# KiCad board rabbit_mask_video_edit.kicad_pcb (continued)
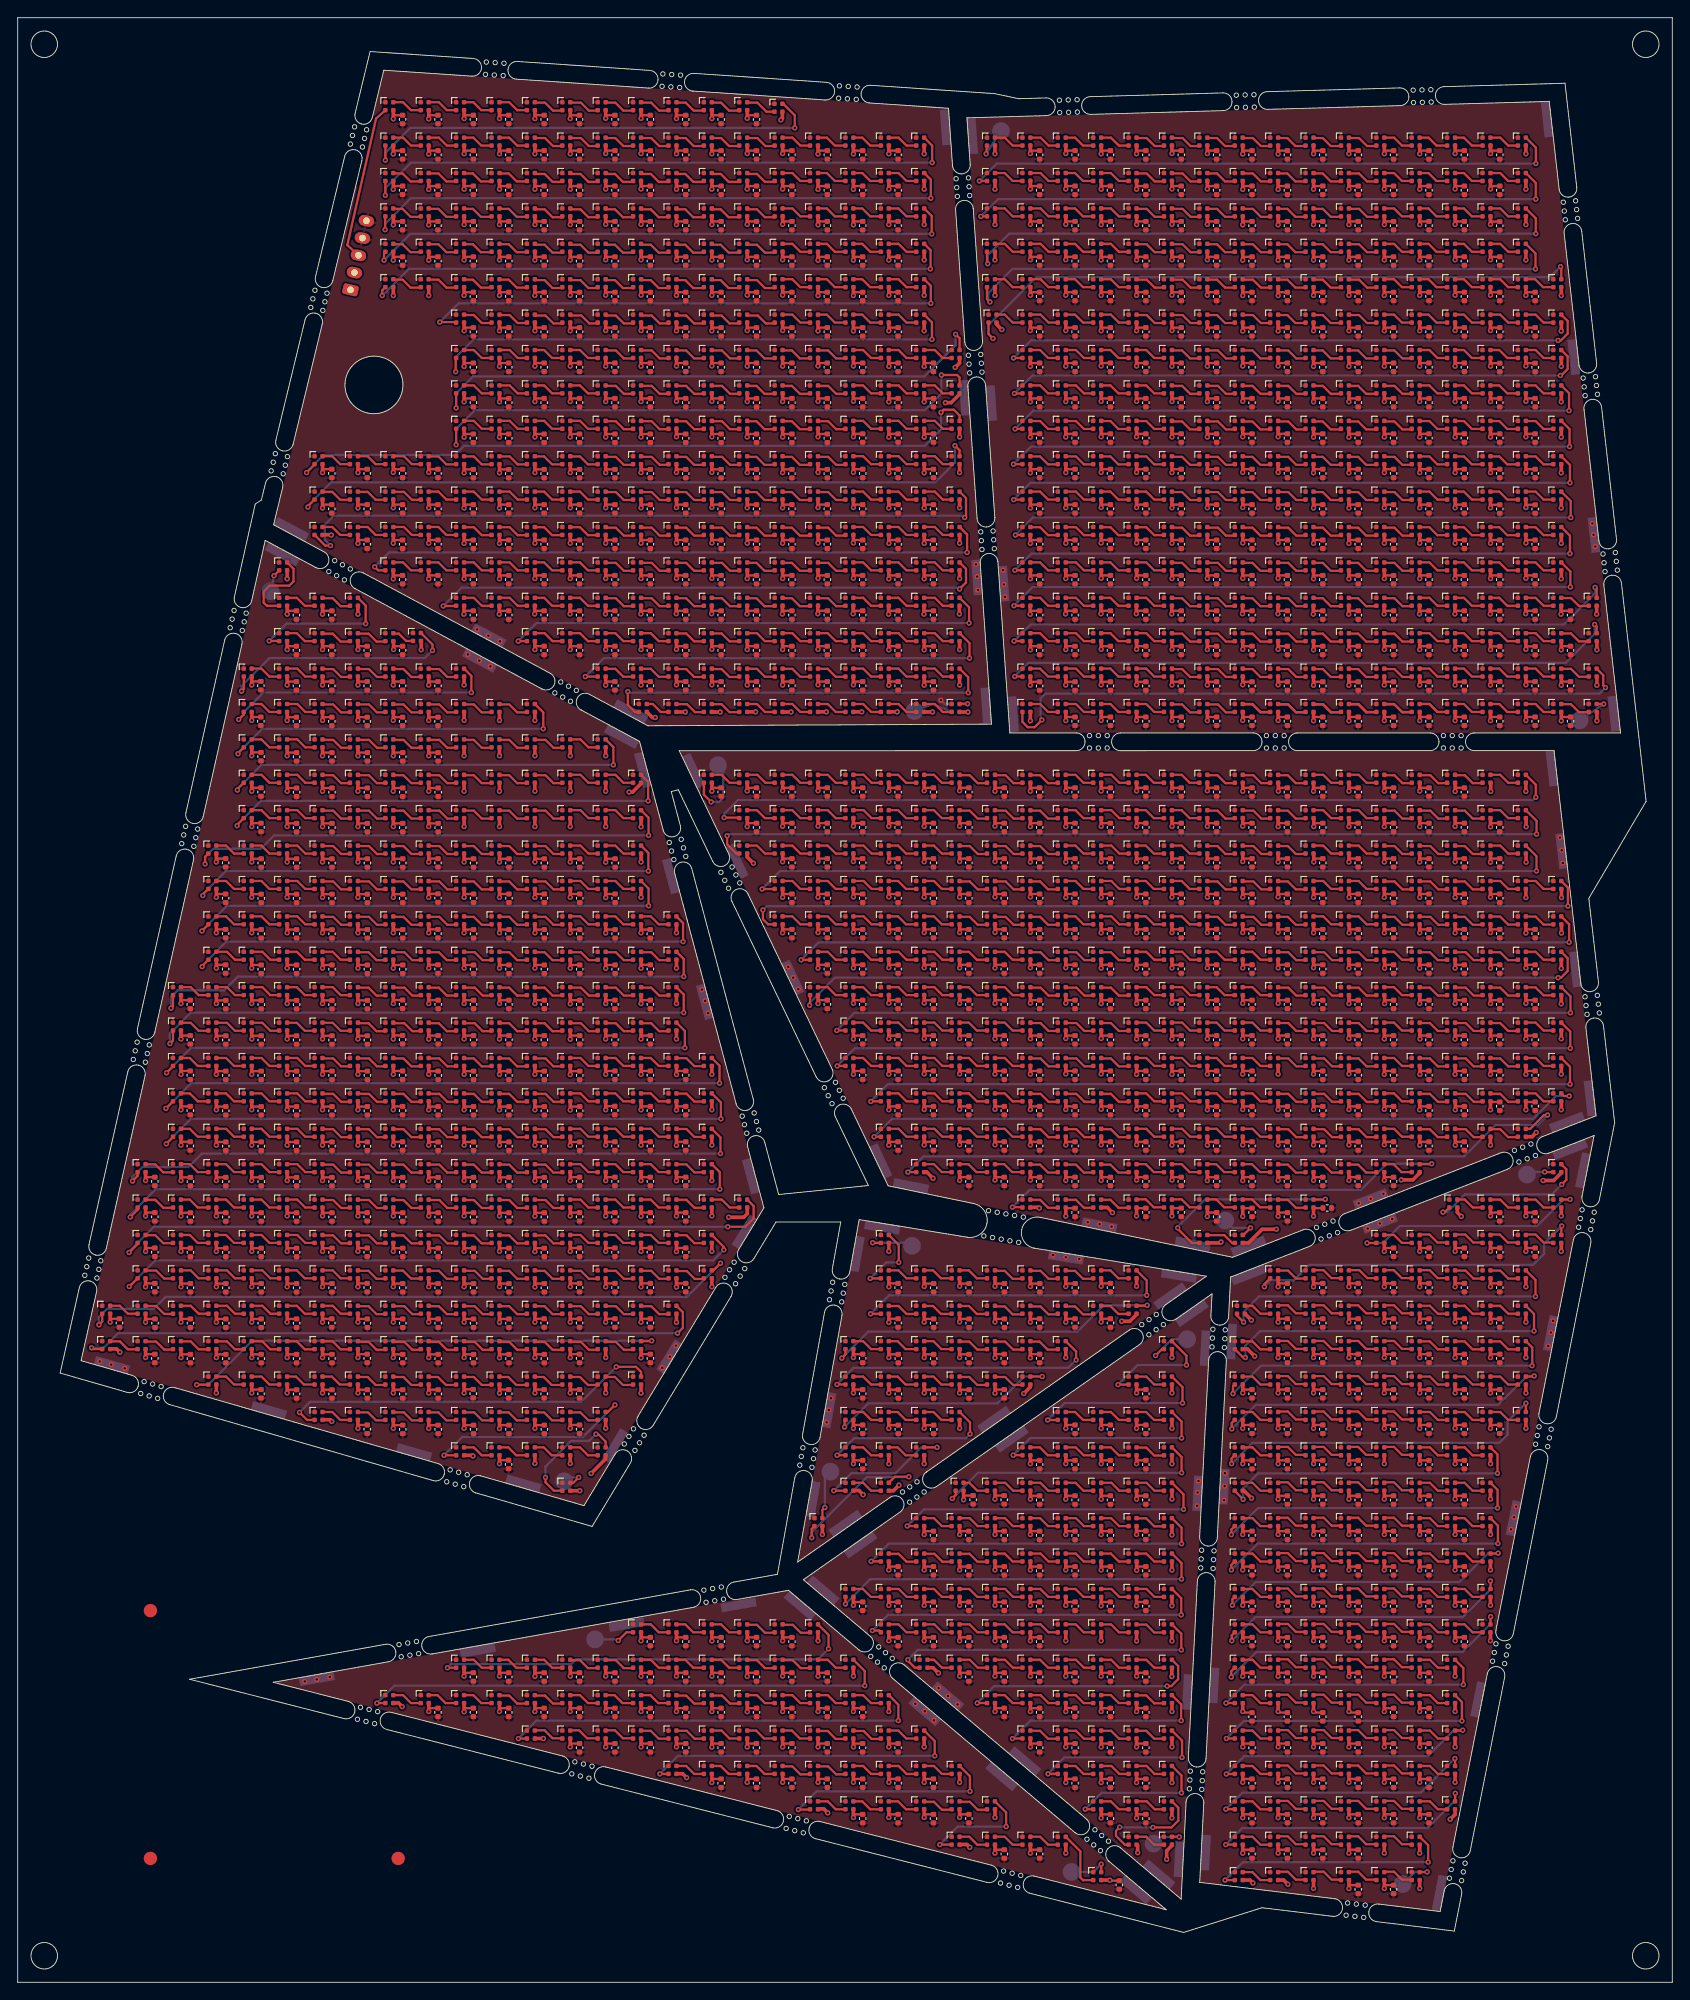
[diagram p0: board, top side]
## Routing (per net, layer and track width the routed paths; a pad name or vN(x,y) marks a point on that pad's centre or on a via; arc(x,y) is an arc through that point) (continued)
Net-(D250-DOUT): length 3.5
  Top w0.25: 86.4,180.4 87.5,180.4 88.4,179.5 89.5,179.5
Net-(D251-DOUT): length 3.5
  Top w0.25: 93.6,179.5 92.5,179.5 91.6,180.4 90.5,180.4
Net-(D252-DOUT): length 3.5
  Top w0.25: D253.1 96.45,179.55 95.55,180.45 D252.3
Net-(D253-DOUT): length 3.5
  Top w0.25: D254.1 100.45,179.55 99.55,180.45 D253.3
Net-(D254-DOUT): length 3.5
  Top w0.25: 105.65,179.55 104.55,179.55 103.65,180.45 102.55,180.45
Net-(D255-DOUT): length 65.2
  Top w0.25: v1(49.55,173.75) D272.1 ; v1(104.4,181.62) 106.18,181.62 106.45,181.35 D255.3
  Bottom w0.25: v1(49.55,173.75) 49.55,175.53 51.67,177.65 102.53,177.65 104.4,179.52 v1(104.4,181.62)
Net-(D256-DOUT): length 3.5
  Top w0.25: D256.3 115.55,180.45 116.45,179.55 D257.1
Net-(D257-DOUT): length 3.5
  Top w0.25: 121.6,179.55 120.5,179.55 119.6,180.45 118.5,180.45
Net-(D258-DOUT): length 3.5
  Top w0.25: 122.4,180.45 123.5,180.45 124.4,179.55 125.5,179.55
Net-(D259-DOUT): length 3.5
  Top w0.25: D259.3 127.55,180.45 128.45,179.55 D260.1
Net-(D260-DOUT): length 3.5
  Top w0.25: 133.6,179.5 132.5,179.5 131.6,180.4 130.5,180.4
Net-(D261-DOUT): length 3.5
  Top w0.25: 137.65,179.5 136.55,179.5 135.65,180.4 134.55,180.4
Net-(D262-DOUT): length 3.5
  Top w0.25: 141.55,179.5 140.45,179.5 139.55,180.4 138.45,180.4
Net-(D263-DOUT): length 3.5
  Top w0.25: 142.5,180.4 143.6,180.4 144.5,179.5 145.6,179.5
Net-(D264-DOUT): length 3.5
  Top w0.25: 146.4,180.4 147.5,180.4 148.4,179.5 149.5,179.5
Net-(D265-DOUT): length 3.5
  Top w0.25: 153.5,179.5 152.4,179.5 151.5,180.4 150.4,180.4
Net-(D266-DOUT): length 3.5
  Top w0.25: 157.6,179.5 156.5,179.5 155.6,180.4 154.5,180.4
Net-(D267-DOUT): length 3.5
  Top w0.25: D267.3 159.55,180.45 160.45,179.55 D268.1
Net-(D268-DOUT): length 3.5
  Top w0.25: 165.45,179.55 164.35,179.55 163.45,180.45 162.35,180.45
Net-(D269-DOUT): length 3.5
  Top w0.25: 169.45,179.55 168.35,179.55 167.45,180.45 166.35,180.45
Net-(D270-DOUT): length 3.5
  Top w0.25: D271.1 172.45,179.55 171.55,180.45 D270.3
Net-(D271-DOUT): length 67.5
  Top w0.25: D287.1 113.54,175.54 v1(112.73,175.54) ; D271.3 175.33,179.57 v1(175.33,177.6)
  Bottom w0.25: v1(112.73,175.54) 114.79,177.6 v1(175.33,177.6)
Net-(D272-DOUT): length 3.5
  Top w0.25: D273.1 52.45,175.55 51.55,176.45 D272.3
Net-(D273-DOUT): length 3.5
  Top w0.25: 57.6,175.55 56.5,175.55 55.6,176.45 54.5,176.45
Net-(D274-DOUT): length 3.5
  Top w0.25: 61.5,175.55 60.4,175.55 59.5,176.45 58.4,176.45
Net-(D275-DOUT): length 3.5
  Top w0.25: D275.3 63.55,176.45 64.45,175.55 D276.1
Net-(D276-DOUT): length 3.5
  Top w0.25: 69.6,175.5 68.5,175.5 67.6,176.4 66.5,176.4
Net-(D277-DOUT): length 3.5
  Top w0.25: 70.55,176.4 71.65,176.4 72.55,175.5 73.65,175.5
Net-(D278-DOUT): length 3.5
  Top w0.25: 77.55,175.5 76.45,175.5 75.55,176.4 74.45,176.4
Net-(D279-DOUT): length 3.5
  Top w0.25: 81.6,175.5 80.5,175.5 79.6,176.4 78.5,176.4
Net-(D280-DOUT): length 3.5
  Top w0.25: 82.4,176.4 83.5,176.4 84.4,175.5 85.5,175.5
Net-(D281-DOUT): length 3.5
  Top w0.25: 86.4,176.4 87.5,176.4 88.4,175.5 89.5,175.5
Net-(D282-DOUT): length 3.5
  Top w0.25: 93.6,175.5 92.5,175.5 91.6,176.4 90.5,176.4
Net-(D283-DOUT): length 3.5
  Top w0.25: D284.1 96.45,175.55 95.55,176.45 D283.3
Net-(D284-DOUT): length 3.5
  Top w0.25: D285.1 100.45,175.55 99.55,176.45 D284.3
Net-(D285-DOUT): length 3.5
  Top w0.25: 105.65,175.55 104.55,175.55 103.65,176.45 102.55,176.45
Net-(D286-DOUT): length 80.1
  Top w0.25: v1(32.65,170.6) 33.55,171.5 D303.1 ; v1(104.35,177.4) 104.65,177.7 105.8,177.7 106.45,177.05 D286.3
  Bottom w0.25: v1(32.65,170.6) 32.65,170.65 34.6,172.6 49.43,172.6 50.45,173.62 102.5,173.62 104.35,175.47 v1(104.35,177.4)
Net-(D287-DOUT): length 3.5
  Top w0.25: 117.55,175.53 116.45,175.53 115.55,176.43 114.45,176.43
Net-(D288-DOUT): length 3.5
  Top w0.25: 121.6,175.53 120.5,175.53 119.6,176.43 118.5,176.43
Net-(D289-DOUT): length 3.5
  Top w0.25: 122.4,176.43 123.5,176.43 124.4,175.53 125.5,175.53
Net-(D290-DOUT): length 3.5
  Top w0.25: 126.45,176.43 127.55,176.43 128.45,175.53 129.55,175.53
Net-(D291-DOUT): length 3.5
  Top w0.25: 130.5,176.38 131.6,176.38 132.5,175.47 133.6,175.47
Net-(D292-DOUT): length 3.5
  Top w0.25: 134.55,176.38 135.65,176.38 136.55,175.47 137.65,175.47
Net-(D293-DOUT): length 3.5
  Top w0.25: 138.45,176.38 139.55,176.38 140.45,175.47 141.55,175.47
Net-(D294-DOUT): length 3.5
  Top w0.25: 142.5,176.38 143.6,176.38 144.5,175.47 145.6,175.47
Net-(D295-DOUT): length 3.5
  Top w0.25: 149.5,175.47 148.4,175.47 147.5,176.38 146.4,176.38
Net-(D296-DOUT): length 3.5
  Top w0.25: 150.4,176.38 151.5,176.38 152.4,175.47 153.5,175.47
Net-(D297-DOUT): length 3.5
  Top w0.25: 154.5,176.38 155.6,176.38 156.5,175.47 157.6,175.47
Net-(D298-DOUT): length 3.5
  Top w0.25: 161.55,175.53 160.45,175.53 159.55,176.43 158.45,176.43
Net-(D299-DOUT): length 3.5
  Top w0.25: 162.35,176.43 163.45,176.43 164.35,175.53 165.45,175.53
Net-(D300-DOUT): length 3.5
  Top w0.25: 169.45,175.53 168.35,175.53 167.45,176.43 166.35,176.43
Net-(D301-DOUT): length 3.5
  Top w0.25: 173.55,175.53 172.45,175.53 171.55,176.43 170.45,176.43
Net-(D302-DOUT): length 68
  Top w0.25: D302.3 175.39,175.51 v1(175.39,173.54) ; v1(112.54,171.55) D322.1
  Bottom w0.25: v1(112.54,171.55) 114.53,173.54 v1(175.39,173.54)
Net-(D303-DOUT): length 3.5
  Top w0.25: D303.3 35.55,172.45 36.45,171.55 D304.1
Net-(D304-DOUT): length 3.5
  Top w0.25: D304.3 39.55,172.45 40.45,171.55 D305.1
Net-(D305-DOUT): length 3.5
  Top w0.25: 42.55,172.45 43.65,172.45 44.55,171.55 45.65,171.55
Net-(D306-DOUT): length 3.5
  Top w0.25: 49.55,171.53 48.45,171.53 47.55,172.43 46.45,172.43
Net-(D307-DOUT): length 3.5
  Top w0.25: 53.55,171.53 52.45,171.53 51.55,172.43 50.45,172.43
Net-(D308-DOUT): length 3.5
  Top w0.25: 54.5,172.43 55.6,172.43 56.5,171.53 57.6,171.53
Net-(D309-DOUT): length 3.5
  Top w0.25: 58.4,172.43 59.5,172.43 60.4,171.53 61.5,171.53
Net-(D310-DOUT): length 3.5
  Top w0.25: 62.45,172.43 63.55,172.43 64.45,171.53 65.55,171.53
Net-(D311-DOUT): length 3.5
  Top w0.25: 66.5,172.38 67.6,172.38 68.5,171.47 69.6,171.47
Net-(D312-DOUT): length 3.5
  Top w0.25: 73.65,171.47 72.55,171.47 71.65,172.38 70.55,172.38
Net-(D313-DOUT): length 3.5
  Top w0.25: 74.45,172.38 75.55,172.38 76.45,171.47 77.55,171.47
Net-(D314-DOUT): length 3.5
  Top w0.25: 78.5,172.38 79.6,172.38 80.5,171.47 81.6,171.47
Net-(D315-DOUT): length 3.5
  Top w0.25: 82.4,172.38 83.5,172.38 84.4,171.47 85.5,171.47
Net-(D316-DOUT): length 3.5
  Top w0.25: 86.4,172.38 87.5,172.38 88.4,171.47 89.5,171.47
Net-(D317-DOUT): length 3.5
  Top w0.25: 90.5,172.38 91.6,172.38 92.5,171.47 93.6,171.47
Net-(D318-DOUT): length 3.5
  Top w0.25: D318.3 95.55,172.45 96.45,171.55 D319.1
Net-(D319-DOUT): length 3.5
  Top w0.25: D320.1 100.45,171.55 99.55,172.45 D319.3
Net-(D320-DOUT): length 3.5
  Top w0.25: 102.55,172.45 103.65,172.45 104.55,171.55 105.65,171.55
Net-(D321-DOUT): length 79.8
  Top w0.25: D338.1 32.8,166.8 v1(32.8,166.7) ; D321.3 106.45,173.12 v1(105.93,173.65)
  Bottom w0.25: v1(105.93,173.65) 105.93,171.72 103.7,169.5 35.42,169.5 32.8,166.88 v1(32.8,166.7)
Net-(D322-DOUT): length 3.5
  Top w0.25: 117.55,171.53 116.45,171.53 115.55,172.43 114.45,172.43
Net-(D323-DOUT): length 3.5
  Top w0.25: 118.5,172.43 119.6,172.43 120.5,171.53 121.6,171.53
Net-(D324-DOUT): length 3.5
  Top w0.25: 122.4,172.43 123.5,172.43 124.4,171.53 125.5,171.53
Net-(D325-DOUT): length 3.5
  Top w0.25: 129.55,171.53 128.45,171.53 127.55,172.43 126.45,172.43
Net-(D326-DOUT): length 3.5
  Top w0.25: 130.5,172.38 131.6,172.38 132.5,171.47 133.6,171.47
Net-(D327-DOUT): length 3.5
  Top w0.25: 137.65,171.47 136.55,171.47 135.65,172.38 134.55,172.38
Net-(D328-DOUT): length 3.5
  Top w0.25: 138.45,172.38 139.55,172.38 140.45,171.47 141.55,171.47
Net-(D329-DOUT): length 3.5
  Top w0.25: 145.6,171.47 144.5,171.47 143.6,172.38 142.5,172.38
Net-(D330-DOUT): length 3.5
  Top w0.25: 146.4,172.38 147.5,172.38 148.4,171.47 149.5,171.47
Net-(D331-DOUT): length 3.5
  Top w0.25: 153.5,171.47 152.4,171.47 151.5,172.38 150.4,172.38
Net-(D332-DOUT): length 3.5
  Top w0.25: 154.5,172.38 155.6,172.38 156.5,171.47 157.6,171.47
Net-(D333-DOUT): length 3.5
  Top w0.25: 158.45,172.43 159.55,172.43 160.45,171.53 161.55,171.53
Net-(D334-DOUT): length 3.5
  Top w0.25: 162.35,172.43 163.45,172.43 164.35,171.53 165.45,171.53
Net-(D335-DOUT): length 3.5
  Top w0.25: 169.45,171.53 168.35,171.53 167.45,172.43 166.35,172.43
Net-(D336-DOUT): length 3.5
  Top w0.25: 170.45,172.43 171.55,172.43 172.45,171.53 173.55,171.53
Net-(D337-DOUT): length 68.1
  Top w0.25: D357.1 113.54,167.54 v1(112.56,167.54) ; v1(175.43,169.45) 175.43,171.47 D337.3
  Bottom w0.25: v1(175.43,169.45) 114.47,169.45 v1(112.56,167.54)
Net-(D338-DOUT): length 3.5
  Top w0.25: 34.45,168.43 35.55,168.43 36.45,167.53 37.55,167.53
Net-(D339-DOUT): length 3.5
  Top w0.25: 41.55,167.53 40.45,167.53 39.55,168.43 38.45,168.43
Net-(D340-DOUT): length 3.5
  Top w0.25: 45.65,167.53 44.55,167.53 43.65,168.43 42.55,168.43
Net-(D341-DOUT): length 3.5
  Top w0.25: D342.1 48.45,167.55 47.55,168.45 D341.3
Net-(D342-DOUT): length 3.5
  Top w0.25: D342.3 51.55,168.45 52.45,167.55 D343.1
Net-(D343-DOUT): length 3.5
  Top w0.25: 54.5,168.45 55.6,168.45 56.5,167.55 57.6,167.55
Net-(D344-DOUT): length 3.5
  Top w0.25: 58.4,168.45 59.5,168.45 60.4,167.55 61.5,167.55
Net-(D345-DOUT): length 3.5
  Top w0.25: D345.3 63.55,168.45 64.45,167.55 D346.1
Net-(D346-DOUT): length 3.5
  Top w0.25: 66.5,168.4 67.6,168.4 68.5,167.5 69.6,167.5
Net-(D347-DOUT): length 3.5
  Top w0.25: 73.65,167.5 72.55,167.5 71.65,168.4 70.55,168.4
Net-(D348-DOUT): length 3.5
  Top w0.25: 77.55,167.5 76.45,167.5 75.55,168.4 74.45,168.4
Net-(D349-DOUT): length 3.5
  Top w0.25: 78.5,168.4 79.6,168.4 80.5,167.5 81.6,167.5
Net-(D350-DOUT): length 3.5
  Top w0.25: 85.5,167.5 84.4,167.5 83.5,168.4 82.4,168.4
Net-(D351-DOUT): length 3.5
  Top w0.25: 86.4,168.4 87.5,168.4 88.4,167.5 89.5,167.5
Net-(D352-DOUT): length 3.5
  Top w0.25: 90.5,168.4 91.6,168.4 92.5,167.5 93.6,167.5
Net-(D353-DOUT): length 3.5
  Top w0.25: D353.3 95.55,168.45 96.45,167.55 D354.1
Net-(D354-DOUT): length 3.5
  Top w0.25: D354.3 99.55,168.45 100.45,167.55 D355.1
Net-(D355-DOUT): length 3.5
  Top w0.25: 105.65,167.55 104.55,167.55 103.65,168.45 102.55,168.45
Net-(D356-DOUT): length 81
  Top w0.25: D356.3 107.18,167.72 107.18,165.68 v1(107.03,165.53) ; D373.1 34.75,162.35 v1(35.35,162.35)
  Bottom w0.25: v1(35.35,162.35) 34.71,162.99 34.71,164.71 35.73,165.72 106.82,165.72 v1(107.03,165.53)
Net-(D357-DOUT): length 3.5
  Top w0.25: D357.3 115.55,168.45 116.45,167.55 D358.1
Net-(D358-DOUT): length 3.5
  Top w0.25: 121.6,167.55 120.5,167.55 119.6,168.45 118.5,168.45
Net-(D359-DOUT): length 3.5
  Top w0.25: 125.5,167.55 124.4,167.55 123.5,168.45 122.4,168.45
Net-(D360-DOUT): length 3.5
  Top w0.25: D361.1 128.45,167.55 127.55,168.45 D360.3
Net-(D361-DOUT): length 3.5
  Top w0.25: 133.6,167.5 132.5,167.5 131.6,168.4 130.5,168.4
Net-(D362-DOUT): length 3.5
  Top w0.25: 134.55,168.4 135.65,168.4 136.55,167.5 137.65,167.5
Net-(D363-DOUT): length 3.5
  Top w0.25: 141.55,167.5 140.45,167.5 139.55,168.4 138.45,168.4
Net-(D364-DOUT): length 3.5
  Top w0.25: 142.5,168.4 143.6,168.4 144.5,167.5 145.6,167.5
Net-(D365-DOUT): length 3.5
  Top w0.25: 146.4,168.4 147.5,168.4 148.4,167.5 149.5,167.5
Net-(D366-DOUT): length 3.5
  Top w0.25: 150.4,168.4 151.5,168.4 152.4,167.5 153.5,167.5
Net-(D367-DOUT): length 3.5
  Top w0.25: 157.6,167.5 156.5,167.5 155.6,168.4 154.5,168.4
Net-(D368-DOUT): length 3.5
  Top w0.25: D368.3 159.55,168.45 160.45,167.55 D369.1
Net-(D369-DOUT): length 3.5
  Top w0.25: 165.45,167.55 164.35,167.55 163.45,168.45 162.35,168.45
Net-(D370-DOUT): length 3.5
  Top w0.25: 166.35,168.45 167.45,168.45 168.35,167.55 169.45,167.55
Net-(D371-DOUT): length 3.5
  Top w0.25: D372.1 172.45,167.55 171.55,168.45 D371.3
Net-(D372-DOUT): length 67.7
  Top w0.25: D372.3 175.52,167.38 v1(175.52,165.52) ; v1(112.76,163.55) D392.1
  Bottom w0.25: v1(175.52,165.52) 114.73,165.52 v1(112.76,163.55)
Net-(D373-DOUT): length 3.5
  Top w0.25: D373.3 35.55,164.45 36.45,163.55 D374.1
Net-(D374-DOUT): length 3.5
  Top w0.25: D374.3 39.55,164.45 40.45,163.55 D375.1
Net-(D375-DOUT): length 3.5
  Top w0.25: 45.65,163.55 44.55,163.55 43.65,164.45 42.55,164.45
Net-(D376-DOUT): length 3.5
  Top w0.25: D376.3 47.55,164.45 48.45,163.55 D377.1
Net-(D377-DOUT): length 3.5
  Top w0.25: 50.45,164.43 51.55,164.43 52.45,163.53 53.55,163.53
Net-(D378-DOUT): length 3.5
  Top w0.25: 54.5,164.43 55.6,164.43 56.5,163.53 57.6,163.53
Net-(D379-DOUT): length 3.5
  Top w0.25: 61.5,163.53 60.4,163.53 59.5,164.43 58.4,164.43
Net-(D380-DOUT): length 3.5
  Top w0.25: 65.55,163.53 64.45,163.53 63.55,164.43 62.45,164.43
Net-(D381-DOUT): length 3.5
  Top w0.25: 66.5,164.38 67.6,164.38 68.5,163.47 69.6,163.47
Net-(D382-DOUT): length 3.5
  Top w0.25: 70.55,164.38 71.65,164.38 72.55,163.47 73.65,163.47
Net-(D383-DOUT): length 3.5
  Top w0.25: 74.45,164.38 75.55,164.38 76.45,163.47 77.55,163.47
Net-(D384-DOUT): length 3.5
  Top w0.25: 81.6,163.47 80.5,163.47 79.6,164.38 78.5,164.38
Net-(D385-DOUT): length 3.5
  Top w0.25: 85.5,163.47 84.4,163.47 83.5,164.38 82.4,164.38
Net-(D386-DOUT): length 3.5
  Top w0.25: 89.5,163.47 88.4,163.47 87.5,164.38 86.4,164.38
Net-(D387-DOUT): length 3.5
  Top w0.25: 90.5,164.38 91.6,164.38 92.5,163.47 93.6,163.47
Net-(D388-DOUT): length 3.5
  Top w0.25: D388.3 95.55,164.45 96.45,163.55 D389.1
Net-(D389-DOUT): length 3.5
  Top w0.25: D390.1 100.45,163.55 99.55,164.45 D389.3
Net-(D390-DOUT): length 3.5
  Top w0.25: 102.55,164.45 103.65,164.45 104.55,163.55 105.65,163.55
Net-(D391-DOUT): length 72.2
  Top w0.25: D409.1 40.75,159.55 v1(40.35,159.95) ; D391.3 107.3,163.6 v1(107.3,161.57)
  Bottom w0.25: v1(107.3,161.57) 41.97,161.57 v1(40.35,159.95)
Net-(D392-DOUT): length 3.5
  Top w0.25: 114.45,164.43 115.55,164.43 116.45,163.53 117.55,163.53
Net-(D393-DOUT): length 3.5
  Top w0.25: 121.6,163.53 120.5,163.53 119.6,164.43 118.5,164.43
Net-(D394-DOUT): length 3.5
  Top w0.25: 122.4,164.43 123.5,164.43 124.4,163.53 125.5,163.53
Net-(D395-DOUT): length 3.5
  Top w0.25: 126.45,164.43 127.55,164.43 128.45,163.53 129.55,163.53
Net-(D396-DOUT): length 3.5
  Top w0.25: 130.5,164.38 131.6,164.38 132.5,163.47 133.6,163.47
Net-(D397-DOUT): length 3.5
  Top w0.25: 137.65,163.47 136.55,163.47 135.65,164.38 134.55,164.38
Net-(D398-DOUT): length 3.5
  Top w0.25: 141.55,163.47 140.45,163.47 139.55,164.38 138.45,164.38
Net-(D399-DOUT): length 3.5
  Top w0.25: 142.5,164.38 143.6,164.38 144.5,163.47 145.6,163.47
Net-(D400-DOUT): length 3.5
  Top w0.25: 146.4,164.38 147.5,164.38 148.4,163.47 149.5,163.47
Net-(D401-DOUT): length 3.5
  Top w0.25: 150.4,164.38 151.5,164.38 152.4,163.47 153.5,163.47
Net-(D402-DOUT): length 3.5
  Top w0.25: 157.6,163.47 156.5,163.47 155.6,164.38 154.5,164.38
Net-(D403-DOUT): length 3.5
  Top w0.25: 161.55,163.53 160.45,163.53 159.55,164.43 158.45,164.43
Net-(D404-DOUT): length 3.5
  Top w0.25: 162.35,164.43 163.45,164.43 164.35,163.53 165.45,163.53
Net-(D405-DOUT): length 3.5
  Top w0.25: 169.45,163.53 168.35,163.53 167.45,164.43 166.35,164.43
Net-(D406-DOUT): length 3.5
  Top w0.25: 173.55,163.53 172.45,163.53 171.55,164.43 170.45,164.43
Net-(D407-DOUT): length 67.8
  Top w0.25: D407.3 175.43,163.47 v1(175.43,161.44) ; v1(112.7,159.56) 113.54,159.56 D426.1
  Bottom w0.25: v1(112.7,159.56) 114.58,161.44 v1(175.43,161.44)
Net-(D408-DOUT): length 9.5
  Top w0.25: D408.3 31.17,159.72 31.17,158.3 30.7,157.82 28.48,157.82 27.8,157.15 27.8,155.9 28.17,155.53 28.2,155.55 D442.1
Net-(D409-DOUT): length 3.5
  Top w0.25: D409.3 43.55,160.45 44.45,159.55 D410.1
Net-(D410-DOUT): length 3.5
  Top w0.25: D410.3 47.55,160.45 48.45,159.55 D411.1
Net-(D411-DOUT): length 3.5
  Top w0.25: D412.1 52.45,159.55 51.55,160.45 D411.3
Net-(D412-DOUT): length 3.5
  Top w0.25: 57.6,159.55 56.5,159.55 55.6,160.45 54.5,160.45
Net-(D413-DOUT): length 3.5
  Top w0.25: 61.5,159.55 60.4,159.55 59.5,160.45 58.4,160.45
Net-(D414-DOUT): length 3.5
  Top w0.25: D415.1 64.45,159.55 63.55,160.45 D414.3
Net-(D415-DOUT): length 3.5
  Top w0.25: 69.6,159.5 68.5,159.5 67.6,160.4 66.5,160.4
Net-(D416-DOUT): length 3.5
  Top w0.25: 73.65,159.5 72.55,159.5 71.65,160.4 70.55,160.4
Net-(D417-DOUT): length 3.5
  Top w0.25: 74.45,160.4 75.55,160.4 76.45,159.5 77.55,159.5
Net-(D418-DOUT): length 3.5
  Top w0.25: 78.5,160.4 79.6,160.4 80.5,159.5 81.6,159.5
Net-(D419-DOUT): length 3.5
  Top w0.25: 82.4,160.4 83.5,160.4 84.4,159.5 85.5,159.5
Net-(D420-DOUT): length 3.5
  Top w0.25: 86.4,160.4 87.5,160.4 88.4,159.5 89.5,159.5
Net-(D421-DOUT): length 3.5
  Top w0.25: 93.6,159.5 92.5,159.5 91.6,160.4 90.5,160.4
Net-(D422-DOUT): length 3.5
  Top w0.25: D423.1 96.45,159.55 95.55,160.45 D422.3
Net-(D423-DOUT): length 3.5
  Top w0.25: D423.3 99.55,160.45 100.45,159.55 D424.1
Net-(D424-DOUT): length 3.5
  Top w0.25: 105.65,159.55 104.55,159.55 103.65,160.45 102.55,160.45
Net-(D425-DOUT): length 64.3
  Top w0.25: v1(48.1,155.53) 49.53,155.53 D445.1 ; D425.3 107.18,159.72 107.18,158.18 v1(106.45,157.45)
  Bottom w0.25: v1(106.45,157.45) 106.3,157.6 50.17,157.6 v1(48.1,155.53)
Net-(D426-DOUT): length 3.5
  Top w0.25: D426.3 115.55,160.45 116.45,159.55 D427.1
Net-(D427-DOUT): length 3.5
  Top w0.25: 118.5,160.45 119.6,160.45 120.5,159.55 121.6,159.55
Net-(D428-DOUT): length 3.5
  Top w0.25: 125.5,159.55 124.4,159.55 123.5,160.45 122.4,160.45
Net-(D429-DOUT): length 3.5
  Top w0.25: D429.3 127.55,160.45 128.45,159.55 D430.1
Net-(D430-DOUT): length 3.5
  Top w0.25: 133.6,159.5 132.5,159.5 131.6,160.4 130.5,160.4
Net-(D431-DOUT): length 3.5
  Top w0.25: 137.65,159.5 136.55,159.5 135.65,160.4 134.55,160.4
Net-(D432-DOUT): length 3.5
  Top w0.25: 141.55,159.5 140.45,159.5 139.55,160.4 138.45,160.4
Net-(D433-DOUT): length 3.5
  Top w0.25: 145.6,159.5 144.5,159.5 143.6,160.4 142.5,160.4
Net-(D434-DOUT): length 3.5
  Top w0.25: 146.4,160.4 147.5,160.4 148.4,159.5 149.5,159.5
Net-(D435-DOUT): length 3.5
  Top w0.25: 153.5,159.5 152.4,159.5 151.5,160.4 150.4,160.4
Net-(D436-DOUT): length 3.5
  Top w0.25: 154.5,160.4 155.6,160.4 156.5,159.5 157.6,159.5
Net-(D437-DOUT): length 3.5
  Top w0.25: D438.1 160.45,159.55 159.55,160.45 D437.3
Net-(D438-DOUT): length 3.5
  Top w0.25: 162.35,160.45 163.45,160.45 164.35,159.55 165.45,159.55
Net-(D439-DOUT): length 3.5
  Top w0.25: 166.35,160.45 167.45,160.45 168.35,159.55 169.45,159.55
Net-(D440-DOUT): length 3.5
  Top w0.25: D441.1 172.45,159.55 171.55,160.45 D440.3
Net-(D441-DOUT): length 67.9
  Top w0.25: v1(175.48,157.67) 175.48,159.42 D441.3 ; D460.1 113.54,155.56 v1(112.6,155.56)
  Bottom w0.25: v1(175.48,157.67) 114.71,157.67 v1(112.6,155.56)
Net-(D442-DOUT): length 3.5
  Top w0.25: D442.3 31.55,156.45 32.45,155.55 D443.1
Net-(D443-DOUT): length 3.5
  Top w0.25: 37.6,155.5 36.5,155.5 35.6,156.4 34.5,156.4
Net-(D444-DOUT): length 16.1
  Top w0.25: v1(39.33,153.53) 39.33,155.57 D444.3 ; v1(28.42,151.57) 29.52,151.57 D477.1
  Bottom w0.25: v1(39.33,153.53) 30.38,153.53 v1(28.42,151.57)
Net-(D445-DOUT): length 3.5
  Top w0.25: D445.3 51.55,156.45 52.45,155.55 D446.1
Net-(D446-DOUT): length 3.5
  Top w0.25: 54.5,156.45 55.6,156.45 56.5,155.55 57.6,155.55
Net-(D447-DOUT): length 3.5
  Top w0.25: 61.5,155.55 60.4,155.55 59.5,156.45 58.4,156.45
Net-(D448-DOUT): length 3.5
  Top w0.25: D448.3 63.55,156.45 64.45,155.55 D449.1
Net-(D449-DOUT): length 3.5
  Top w0.25: 66.5,156.4 67.6,156.4 68.5,155.5 69.6,155.5
Net-(D450-DOUT): length 3.5
  Top w0.25: 70.55,156.4 71.65,156.4 72.55,155.5 73.65,155.5
Net-(D451-DOUT): length 3.5
  Top w0.25: 77.55,155.5 76.45,155.5 75.55,156.4 74.45,156.4
Net-(D452-DOUT): length 3.5
  Top w0.25: 81.6,155.5 80.5,155.5 79.6,156.4 78.5,156.4
Net-(D453-DOUT): length 3.5
  Top w0.25: 82.4,156.4 83.5,156.4 84.4,155.5 85.5,155.5
Net-(D454-DOUT): length 3.5
  Top w0.25: 89.5,155.5 88.4,155.5 87.5,156.4 86.4,156.4
Net-(D455-DOUT): length 3.5
  Top w0.25: 90.5,156.4 91.6,156.4 92.5,155.5 93.6,155.5
Net-(D456-DOUT): length 3.5
  Top w0.25: D456.3 95.55,156.45 96.45,155.55 D457.1
Net-(D457-DOUT): length 3.5
  Top w0.25: D458.1 100.45,155.55 99.55,156.45 D457.3
Net-(D458-DOUT): length 3.5
  Top w0.25: 105.65,155.55 104.55,155.55 103.65,156.45 102.55,156.45
Net-(D459-DOUT): length 56.1
  Top w0.25: D459.3 107.53,155.38 v1(107.53,153.6) ; v1(56.58,151.55) D482.1
  Bottom w0.25: v1(107.53,153.6) 58.62,153.6 v1(56.58,151.55)
Net-(D460-DOUT): length 3.5
  Top w0.25: D460.3 115.55,156.45 116.45,155.55 D461.1
Net-(D461-DOUT): length 3.5
  Top w0.25: 121.6,155.55 120.5,155.55 119.6,156.45 118.5,156.45
Net-(D462-DOUT): length 3.5
  Top w0.25: 122.4,156.45 123.5,156.45 124.4,155.55 125.5,155.55
Net-(D463-DOUT): length 3.5
  Top w0.25: D464.1 128.45,155.55 127.55,156.45 D463.3
Net-(D464-DOUT): length 3.5
  Top w0.25: 130.5,156.4 131.6,156.4 132.5,155.5 133.6,155.5
Net-(D465-DOUT): length 3.5
  Top w0.25: 137.65,155.5 136.55,155.5 135.65,156.4 134.55,156.4
Net-(D466-DOUT): length 3.5
  Top w0.25: 138.45,156.4 139.55,156.4 140.45,155.5 141.55,155.5
Net-(D467-DOUT): length 3.5
  Top w0.25: 142.5,156.4 143.6,156.4 144.5,155.5 145.6,155.5
Net-(D468-DOUT): length 3.5
  Top w0.25: 149.5,155.5 148.4,155.5 147.5,156.4 146.4,156.4
Net-(D469-DOUT): length 3.5
  Top w0.25: 153.5,155.5 152.4,155.5 151.5,156.4 150.4,156.4
Net-(D470-DOUT): length 3.5
  Top w0.25: 157.6,155.5 156.5,155.5 155.6,156.4 154.5,156.4
Net-(D471-DOUT): length 3.5
  Top w0.25: D471.3 159.55,156.45 160.45,155.55 D472.1
Net-(D472-DOUT): length 3.5
  Top w0.25: 162.35,156.45 163.45,156.45 164.35,155.55 165.45,155.55
Net-(D473-DOUT): length 3.5
  Top w0.25: 166.35,156.45 167.45,156.45 168.35,155.55 169.45,155.55
Net-(D474-DOUT): length 3.5
  Top w0.25: D474.3 171.55,156.45 172.45,155.55 D475.1
Net-(D475-DOUT): length 3.5
  Top w0.25: 174.45,156.43 175.55,156.43 176.45,155.53 177.55,155.53
Net-(D476-DOUT): length 70.7
  Top w0.25: v1(178.28,157.62) 178.45,157.45 D476.3 ; D495.1 113.54,151.56 v1(112.61,151.56)
  Bottom w0.25: v1(178.28,157.62) 178.28,156.97 174.74,153.43 114.48,153.43 v1(112.61,151.56)
Net-(D477-DOUT): length 3.5
  Top w0.25: D478.1 32.45,151.55 31.55,152.45 D477.3
Net-(D478-DOUT): length 3.5
  Top w0.25: 34.5,152.4 35.6,152.4 36.5,151.5 37.6,151.5
Net-(D479-DOUT): length 3.5
  Top w0.25: 38.55,152.4 39.65,152.4 40.55,151.5 41.65,151.5
Net-(D480-DOUT): length 2.6
  Top w0.25: 42.45,152.4 43.08,152.4 43.9,151.57 D481.1
Net-(D481-DOUT): length 28.1
  Top w0.25: v1(46.88,150.5) 46.88,151.18 D481.3 ; v1(25.3,145.9) 25.55,146.15 D512.1
  Bottom w0.25: v1(46.88,150.5) 46.03,149.65 28.47,149.65 25.3,146.48 v1(25.3,145.9)
Net-(D482-DOUT): length 3.5
  Top w0.25: D482.3 59.55,152.45 60.45,151.55 D483.1
Net-(D483-DOUT): length 3.5
  Top w0.25: D483.3 63.55,152.45 64.45,151.55 D484.1
Net-(D484-DOUT): length 3.5
  Top w0.25: D485.1 68.45,151.55 67.55,152.45 D484.3
Net-(D485-DOUT): length 3.5
  Top w0.25: D485.3 71.55,152.45 72.45,151.55 D486.1
Net-(D486-DOUT): length 3.5
  Top w0.25: 77.55,151.53 76.45,151.53 75.55,152.43 74.45,152.43
Net-(D487-DOUT): length 3.5
  Top w0.25: 81.55,151.53 80.45,151.53 79.55,152.43 78.45,152.43
Net-(D488-DOUT): length 3.5
  Top w0.25: D489.1 84.45,151.55 83.55,152.45 D488.3
Net-(D489-DOUT): length 3.5
  Top w0.25: D489.3 87.55,152.45 88.45,151.55 D490.1
Net-(D490-DOUT): length 3.5
  Top w0.25: D491.1 92.45,151.55 91.55,152.45 D490.3
Net-(D491-DOUT): length 3.5
  Top w0.25: D492.1 96.45,151.55 95.55,152.45 D491.3
Net-(D492-DOUT): length 3.5
  Top w0.25: D492.3 99.55,152.45 100.45,151.55 D493.1
Net-(D493-DOUT): length 3.5
  Top w0.25: 102.55,152.45 103.65,152.45 104.55,151.55 105.65,151.55
Net-(D494-DOUT): length 49
  Top w0.25: v1(107.57,149.62) 107.57,151.32 D494.3 ; v1(64.15,147.55) D519.1
  Bottom w0.25: v1(64.15,147.55) 66.22,149.62 v1(107.57,149.62)
Net-(D495-DOUT): length 3.5
  Top w0.25: D496.1 116.45,151.55 115.55,152.45 D495.3
Net-(D496-DOUT): length 3.5
  Top w0.25: 118.5,152.45 119.6,152.45 120.5,151.55 121.6,151.55
Net-(D497-DOUT): length 3.5
  Top w0.25: 125.5,151.55 124.4,151.55 123.5,152.45 122.4,152.45
Net-(D498-DOUT): length 3.5
  Top w0.25: D499.1 128.45,151.55 127.55,152.45 D498.3
Net-(D499-DOUT): length 3.5
  Top w0.25: 130.5,152.4 131.6,152.4 132.5,151.5 133.6,151.5
Net-(D500-DOUT): length 3.5
  Top w0.25: 137.65,151.5 136.55,151.5 135.65,152.4 134.55,152.4
Net-(D501-DOUT): length 3.5
  Top w0.25: 141.55,151.5 140.45,151.5 139.55,152.4 138.45,152.4
Net-(D502-DOUT): length 3.5
  Top w0.25: 142.5,152.4 143.6,152.4 144.5,151.5 145.6,151.5
Net-(D503-DOUT): length 3.5
  Top w0.25: 146.4,152.4 147.5,152.4 148.4,151.5 149.5,151.5
Net-(D504-DOUT): length 3.5
  Top w0.25: 153.5,151.5 152.4,151.5 151.5,152.4 150.4,152.4
Net-(D505-DOUT): length 3.5
  Top w0.25: 154.5,152.4 155.6,152.4 156.5,151.5 157.6,151.5
Net-(D506-DOUT): length 3.5
  Top w0.25: D506.3 159.55,152.45 160.45,151.55 D507.1
Net-(D507-DOUT): length 3.5
  Top w0.25: 162.35,152.45 163.45,152.45 164.35,151.55 165.45,151.55
Net-(D508-DOUT): length 3.5
  Top w0.25: 169.45,151.55 168.35,151.55 167.45,152.45 166.35,152.45
